# Altium PCB 主控PCB.PcbDoc
Units mil, origin at the board's own origin, x right, y up, seen from the top; angles counter-clockwise.
Board outline 5805 x 2610 mil, 2 copper layers (Top Layer, Bottom Layer); 77 components, 92 nets, 378 pads, 262 vias.
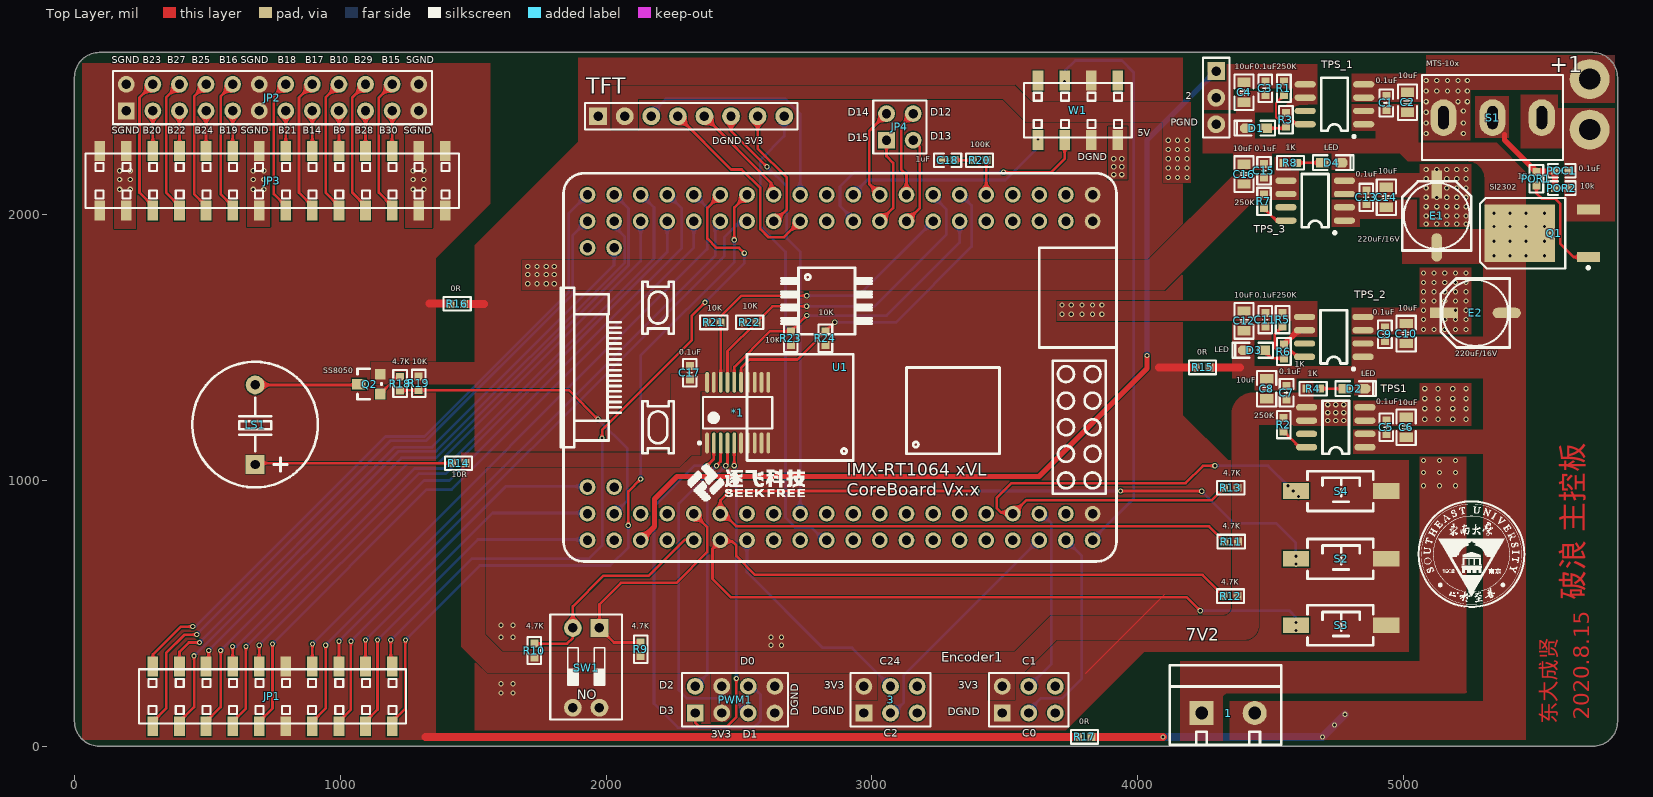
[diagram p0: Top Layer view]
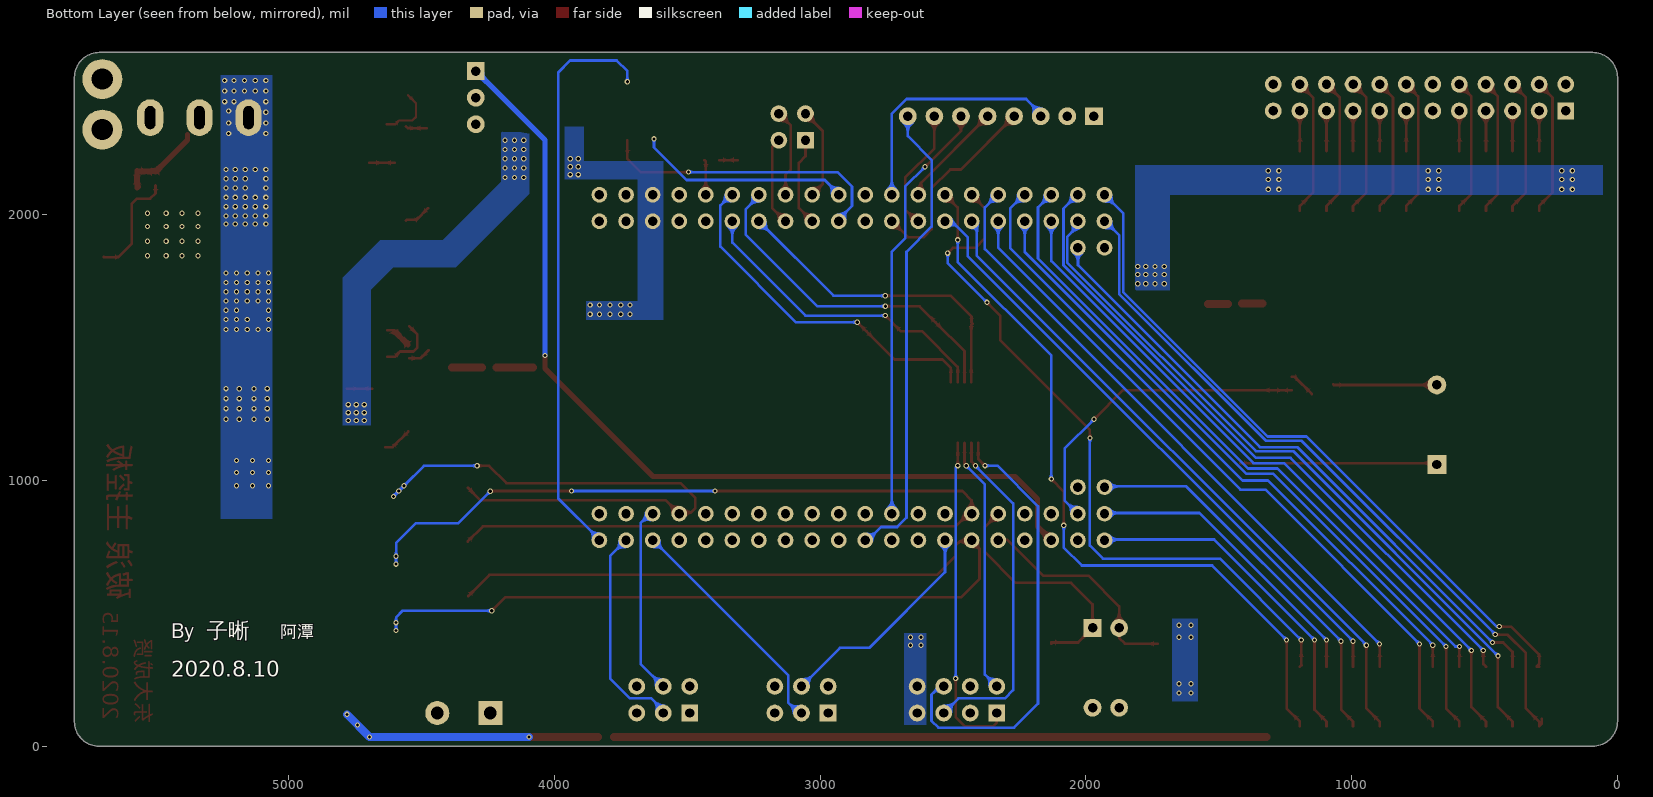
[diagram p1: Bottom Layer view, seen from below]

## Layer stack, top to bottom
Top Solder: solder mask 0.4, Solder Resist, Dk 3.5
Top Layer: signal copper 1.4
Dielectric 1: dielectric 12.6, FR-4, Dk 4.8
Bottom Layer: signal copper 1.4
Bottom Solder: solder mask 0.4, Solder Resist, Dk 3.5

## Board outline
93.73,0 cw(c93.73,93.73) 0,93.73 0,2516.27 cw(c93.73,2516.27) 93.73,2610 5711.27,2610 cw(c5711.27,2516.27) 5805,2516.27 5805,92.42 cw(c5712.58,92.42) 5712.58,0

## Design rules (kind name [scope] priority, off if disabled: settings)
Clearance [All] p1: gap=4 ignorepadtopadclearanceinfootprint=FALSE except(0: SMDPad-SMDPad)
ComponentClearance [All] p1: gap=0 collisioncheckmode=3 verticalgap=0 showdistances=TRUE
Height [All] p1: minheight=0 maxheight=1200 prefheight=500
HoleToHoleClearance [All] p1: gap=5 allowstackedmicrovias=TRUE
MinimumSolderMaskSliver [All] p1: minsoldermaskwidth=0
PlaneConnect [All] p1: planeconnectstyle=Direct reliefexpansion=20 reliefentries=4 reliefconductorwidth=10 reliefairgap=10
PolygonConnect [All] p1: connectstyle=Direct reliefconductorwidth=10 reliefentries=4 polygonreliefangle="90 Angle" airgapwidth=10
RoutingVias [All] p1: holewidth=11.81 width=15.75 viastyle="Through Hole" minholewidth=7.87 minwidth=11.81 maxholewidth=15.75 maxwidth=19.68
SilkToSilkClearance [All] p1: silktosilkclearance=0
SilkToSolderMaskClearance [IsPad] p1: minsilkscreentomaskgap=0 clearancetoexposedcopper=TRUE
SolderMaskExpansion [All] p1: expansion=4
Width [All] p1: maxlimit=30 minlimit=8 preferedwidth=10 minimp=50.000000 maximp=50.000000 favimp=50.000000
23 further rules are at their usual default settings.

## Classes and differential pairs
component class 主控PCB原理图: 2 3 *1 C17 C18 Encoder1 JP1 JP2 JP3 JP4 LS1 PWM1 Q2 R9 R10 R11 R12 R13 R14 R15 R16 R17 R18 R19 R20 R21 R22 R23 R24 S2 S3 S4 SW1 TFT U1 W1
component class DC_DC: 1 +1 C1 C2 C3 C4 C5 C6 C7 C8 C9 C10 C11 C12 C13 C14 C15 C16 D1 D2 D3 D4 E1 E2 POC1 POR1 POR2 Q1 R1 R2 R3 R4 R5 R6 R7 R8 S1 TPS1 TPS_1 TPS_2 TPS_3

## Components (designator, comment, footprint, x,y, rotation, side; value= is the part's Value field where it differs from the comment)
1 "HDR-1X2" KF301-5.0-2P 4440,125 r0 top
2 "HDR-1X3" HDR2.54-LI-3P 4295,2440 r270 top
3 "Header3X2" HDR2.54-LI-2x3P 3070,175 r0 top
*1 "74LVC245" TSSOP20_M 2495,1255 r90 top
+1 "HDR-1X2" 电源入口 5700,2510 r270 top
C1 "0.1uF" "C 0603_L" 4935,2420 r90 top
C2 "10uF" "C 0805_L" 5015,2422.6 r90 top
C3 "0.1uF" "C 0603_L" 4480,2475 r90 top
C4 "10uF" "C 0805_L" 4400,2460 r90 top
C5 "0.1uF" "C 0603_L" 4935,1200 r90 top
C6 "10uF" "C 0805_L" 5010,1200 r90 top
C7 "0.1uF" "C 0603_L" 4560,1330 r270 top
C8 "10uF" "C 0805_L" 4485,1345 r270 top
C9 "0.1uF" "C 0603_L" 4930,1550 r90 top
C10 "10uF" "C 0805_L" 5010,1552.6 r90 top
C11 "0.1uF" "C 0603_L" 4480,1605 r90 top
C12 "10uF" "C 0805_L" 4400,1600 r90 top
C13 "0.1uF" "C 0603_L" 4860,2065 r90 top
C14 "10uF" "C 0805_L" 4935,2065 r90 top
C15 "0.1uF" "C 0603_L" 4474.99,2165 r270 top
C16 "10uF" "C 0805_L" 4400,2152.4 r270 top
C17 "0.1uF" "C 0603_L" 2315,1405 r90 top
C18 "1uF" "C 0603_L" 3285,2205 r0 top
D1 "LED" "LED 0603B" 4445,2325.26 r180 top
D2 "LED" "LED 0603B" 4815,1345 r0 top
D3 "LED" "LED 0603B" 4437.78,1490 r180 top
D4 "LED" "LED 0603B" 4730,2195 r0 top
E1 "220uF/16V" "CM D(6.3*7.7)" 5125,1995 r90 top
E2 "220uF/16V" "CM D(6.3*7.7)" 5270,1630 r180 top
Encoder1 "Header3X2" HDR2.54-LI-2x3P 3590,175 r0 top
JP1 "Header 2X10" HDR2.54-M-LS-2x10P 745,187.27 r0 top
JP2 "Header 2X11" HDR2.54-LI-2x12P 745,2440.07 r0 top
JP3 "Header 2X11" HDR2.54-M-LS-2x14P 745,2127.27 r0 top
JP4 "Header2X2" HDR2.54-LI-2x2P 3105,2330 r0 top
LS1 "DC5V" "BEEP 7.6X12X9.5" 680,1210 r0 top
POC1 "0.1uF" "C 0603_L" 5595,2165 r180 top
POR1 "1R" "R 0603_L" 5500,2135 r90 top
POR2 "10k" "C 0603_L" 5595,2100 r180 top
PWM1 "Header 4X2" HDR2.54-LI-2x4P 2485,175 r0 top
Q1 "SI2302" "TO252 - 3" 5521.77,1930.24 r180 top
Q2 "SS8050" SOT23-3N 1150.63,1320.12 r90 top
R1 "250K" "R 0603_L" 4550,2475 r270 top
R2 "250K" "R 0603_L" 4548.82,1210 r270 top
R3 "1K" "R 0603_L" 4557.5,2357 r90 top
R4 "1K" "R 0603_L" 4660,1345.26 r180 top
R5 "250K" "R 0603_L" 4545,1605 r270 top
R6 "1K" "R 0603_L" 4550,1485 r90 top
R7 "250K" "R 0603_L" 4475,2050 r270 top
R8 "1K" "R 0603_L" 4574.41,2195 r180 top
R9 "4.7K" "R 0603_L" 2130,365 r90 top
R10 "4.7K" "R 0603_L" 1730,360.14 r90 top
R11 "4.7K" "R 0603_L" 4351.66,770 r180 top
R12 "4.7K" "R 0603_L" 4349.08,565 r180 top
R13 "4.7K" "R 0603_L" 4350,972.5 r180 top
R14 "10R" "R 0603_L" 1445,1065 r180 top
R15 "0R" "R 0603_L" 4243.75,1425 r180 top
R16 "0R" "R 0603_L" 1439.41,1664.41 r0 top
R17 "0R" "R 0603_L" 3800,35 r180 top
R18 "4.7K" "R 0603_L" 1225,1364.41 r90 top
R19 "10K" "R 0603_L" 1295,1365 r90 top
R20 "100K" "R 0603_L" 3405,2205 r0 top
R21 "10K" "R 0603_L" 2405,1594.41 r0 top
R22 "10K" "R 0603_L" 2540,1595 r0 top
R23 "10K" "R 0603_L" 2695,1535 r90 top
R24 "10K" "R 0603_L" 2825,1535 r90 top
S1 "MTS-10x" MTS-10x 5335,2365 r180 top
S2 "SW-PB" "TSW SMD-3*6*4.3" 4765,705 r0 top
S3 "SW-PB" "TSW SMD-3*6*4.3" 4765,455 r0 top
S4 "SW-PB" "TSW SMD-3*6*4.3" 4765,960 r0 top
SW1 "SW-2P" "CSW DIP-2P_G" 1925,295 r180 top
TFT "HDR-1X8" HDR2.54-LI-8P 2320,2370 r0 top (schematic designator TFT1)
TPS1 "UUUUUU" SOP-8 4855,1125 r180 top
TPS_1 "UUUUUU" SOP8 4849,2339 r180 top
TPS_2 "UUUUUU" SOP8 4846.5,1464 r180 top
TPS_3 "UUUUUU" SOP8 4776.5,1976.6 r180 top
U1 "MIMXRT1064xVL_CoreBoard" MIMXRT1064xVL_CoreBoard 2880,1425 r180 top
W1 "Header 4X2" HDR2.54-M-LS-2x4P 3775,2392.2 r0 top

## Footprints (in the part's own frame and the unit in brackets; to place one, negate y for a bottom-side part, rotate by r counter-clockwise, add the part's x,y. Pads: shape width x height; smd on the part's side, far side on the other; paste and mask are expansions set on the pad)
"BEEP 7.6X12X9.5" [mm] "6.5*12*9.5mm(脚距,直径,高度)                  淘宝ID:黄晶宝石"
  rect 1.8x1.8 hole 0.9: 1(-0.011,-3.811)
  round 1.8 hole 0.9: 2(-0.011,3.789)
  silkscreen extent -6.01,-6 5.99,6, body extent -6.01,-5.93 5.99,6.07, height 9.55
"C 0603_L" [mil] "无极性贴片电容                                       淘宝ID:黄晶宝石"
  rect 30x30 smd: 1(-25.59,0) 2(25.59,0)
  silkscreen extent -51,-26 51,26, body extent -31,-16 31,16, height 32
"C 0805_L" [mil] "无极性贴片电容                                        淘宝ID:黄晶宝石"
  rect 35x50 smd: 1(-37.4,0) 2(37.4,0)
  silkscreen extent -67,-36 67,36, body extent -39,-24 39,24, height 20
"CM D(6.3*7.7)" [mm] "贴片电解电容，直径6.3mm，高7.7mm         淘宝ID:黄晶宝石"
  rect 2.7x1 smd: 1(3,0)
  oval 2.7x1 smd: 2(-3,0)
  silkscreen extent -3.3,-3.3 3.3,3.3, body extent -3.5,-3.3 3.5,3.3, height 7.7
"CSW DIP-2P_G" [mm] "6.6*9.9*7mm"
  rect 1.7x1.7 hole 0.9: 1(-1.27,-3.81)
  round 1.7 hole 0.9: 2(1.27,-3.81) 3(1.27,3.81) 4(-1.27,3.81)
  silkscreen extent -3.43,-5.08 3.43,4.95, body extent -3.32,-4.95 3.32,4.95, height 6.65
HDR2.54-LI-2x2P [mm] "封装库来自淘宝卖家 ID：黄晶宝石"
  rect 1.6x1.6 hole 0.9: 1(-1.27,-1.27)
  round 1.6 hole 0.9: 2(-1.27,1.27) 3(1.27,-1.27) 4(1.27,1.27)
  silkscreen extent -2.54,-2.54 2.54,2.54, body extent -2.54,-2.54 2.54,2.54, height 8.5
HDR2.54-LI-2x3P [mm] "封装库来自淘宝卖家 ID：黄晶宝石"
  rect 1.6x1.6 hole 0.9: 1(-2.54,-1.27)
  round 1.6 hole 0.9: 2(-2.54,1.27) 3(0,-1.27) 4(0,1.27) 5(2.54,-1.27) 6(2.54,1.27)
  silkscreen extent -3.81,-2.54 3.81,2.54, body extent -3.81,-2.54 3.81,2.54, height 8.5
HDR2.54-LI-2x4P [mm] "双排排针，4x2脚 淘宝ID:黄晶宝石   店铺网址:https://shop463601444.taobao.com"
  rect 1.6x1.6 hole 0.9: 1(-3.81,-1.27)
  round 1.6 hole 0.9: 2(-3.81,1.27) 3(-1.27,-1.27) 4(-1.27,1.27) 5(1.27,-1.27) 6(1.27,1.27) 7(3.81,-1.27) 8(3.81,1.27)
  silkscreen extent -5.08,-2.54 5.08,2.54, body extent -5.08,-2.54 5.08,2.54, height 8.5
HDR2.54-LI-2x12P [mm] "双排排针，12x2脚   淘宝ID:黄晶宝石   店铺网址:https://shop463601444.taobao.com"
  rect 1.6x1.6 hole 0.9: 1(-13.97,-1.27)
  round 1.6 hole 0.9: 2(-13.97,1.27) 3(-11.43,-1.27) 4(-11.43,1.27) 5(-8.89,-1.27) 6(-8.89,1.27) 7(-6.35,-1.27) 8(-6.35,1.27) 9(-3.81,-1.27) 10(-3.81,1.27) 11(-1.27,-1.27) 12(-1.27,1.27) 13(1.27,-1.27) 14(1.27,1.27) 15(3.81,-1.27) 16(3.81,1.27) 17(6.35,-1.27) 18(6.35,1.27) 19(8.89,-1.27) 20(8.89,1.27) 21(11.43,-1.27) 22(11.43,1.27) 23(13.97,-1.27) 24(13.97,1.27)
  silkscreen extent -15.24,-2.54 15.24,2.54, body extent -15.24,-2.54 15.24,2.54, height 8.5
HDR2.54-LI-3P [mm] "排针，3脚"
  rect 1.7x1.7 hole 0.9: 1(-2.54,0)
  round 1.7 hole 0.9: 2(0,0) 3(2.54,0)
  silkscreen extent -3.81,-1.27 3.81,1.27, body extent -3.81,-1.27 3.81,1.27, height 8.5
HDR2.54-LI-8P [mm] "排针，8脚  淘宝ID:黄晶宝石   店铺网址:https://shop463601444.taobao.com"
  rect 1.7x1.7 hole 0.9: 1(-8.89,0)
  round 1.7 hole 0.9: 2(-6.35,0) 3(-3.81,0) 4(-1.27,0) 5(1.27,0) 6(3.81,0) 7(6.35,0) 8(8.89,0)
  silkscreen extent -10.16,-1.27 10.16,1.27, body extent -10.16,-1.27 10.16,1.27, height 8.5
HDR2.54-M-LS-2x4P [mm] "脚距：2.54mm，贴片双排母"
  rect 1.02x1.9 smd: 1(-3.81,-2.85) 2(-3.81,2.85) 3(-1.27,-2.85) 4(-1.27,2.85) 5(1.27,-2.85) 6(1.27,2.85) 7(3.81,-2.85) 8(3.81,2.85)
  silkscreen extent -5.15,-2.6 5.14,2.6, body extent -5.11,-3.2 5.11,3.2, height 5.15
HDR2.54-M-LS-2x10P [mm] "脚距：2.54mm，贴片双排母"
  rect 1.02x1.9 smd: 1(-11.43,2.85) 2(-11.43,-2.85) 3(-8.89,2.85) 4(-8.89,-2.85) 5(-6.35,2.85) 6(-6.35,-2.85) 7(-3.81,2.85) 8(-3.81,-2.85) 9(-1.27,2.85) 10(-1.27,-2.85) 11(1.27,2.85) 12(1.27,-2.85) 13(3.81,2.85) 14(3.81,-2.85) 15(6.35,2.85) 16(6.35,-2.85) 17(8.89,2.85) 18(8.89,-2.85) 19(11.43,2.85) 20(11.43,-2.85)
  silkscreen extent -12.77,-2.6 12.76,2.6, body extent -12.73,-3.2 12.73,3.2, height 5.15
HDR2.54-M-LS-2x14P [mm] "脚距：2.54mm，贴片双排母"
  rect 1.02x1.9 smd: 1(-16.51,2.85) 2(-16.51,-2.85) 3(-13.97,2.85) 4(-13.97,-2.85) 5(-11.43,2.85) 6(-11.43,-2.85) 7(-8.89,2.85) 8(-8.89,-2.85) 9(-6.35,2.85) 10(-6.35,-2.85) 11(-3.81,2.85) 12(-3.81,-2.85) 13(-1.27,2.85) 14(-1.27,-2.85) 15(1.27,2.85) 16(1.27,-2.85) 17(3.81,2.85) 18(3.81,-2.85) 19(6.35,2.85) 20(6.35,-2.85) 21(8.89,2.85) 22(8.89,-2.85) 23(11.43,2.85) 24(11.43,-2.85) 25(13.97,2.85) 26(13.97,-2.85) 27(16.51,2.85) 28(16.51,-2.85)
  silkscreen extent -17.85,-2.6 17.84,2.6, body extent -17.81,-3.2 17.81,3.2, height 5.15
KF301-5.0-2P [mm] "可拼接端子/6A"
  rect 2.3x2.3 hole 1.2: 1(-5.08,0)
  round 2.3 hole 1.2: 2(0,0)
  silkscreen extent -8.13,-3.05 2.54,4.57, body extent -7.95,-3 2.55,4.6, height 10.05
"LED 0603B" [mil] "蓝色0603LED                             淘宝ID:黄晶宝石"
  rect 50x35 smd: 1(-35,0.26)
  oct 50x35 smd: 2(35,0.26)
  silkscreen extent -71,-28 81,28, body extent -31,-16 32,16, height 24
MIMXRT1064xVL_CoreBoard [mm] "逐飞科技i.MX RT1064核?"
  round 1.5 hole 0.9: 1(-24.13,-16.51) 2(-24.13,-13.97) 3(-21.59,-16.51) 4(-21.59,-13.97) 5(-19.05,-16.51) 6(-19.05,-13.97) 7(-16.51,-16.51) 8(-16.51,-13.97) 9(-13.97,-16.51) 10(-13.97,-13.97) 11(-11.43,-16.51) 12(-11.43,-13.97) 13(-8.89,-16.51) 14(-8.89,-13.97) 15(-6.35,-16.51) 16(-6.35,-13.97) 17(-3.81,-16.51) 18(-3.81,-13.97) 19(-1.27,-16.51) 20(-1.27,-13.97) 21(1.27,-16.51) 22(1.27,-13.97) 23(3.81,-16.51) 24(3.81,-13.97) 25(6.35,-16.51) 26(6.35,-13.97) 27(8.89,-16.51) 28(8.89,-13.97) 29(11.43,-16.51) 30(11.43,-13.97) 31(13.97,-16.51) 32(13.97,-13.97) 33(16.51,-16.51) 34(16.51,-13.97) 35(19.05,-16.51) 36(19.05,-13.97) 37(21.59,-16.51) 38(21.59,-13.97) 39(24.13,-16.51) 40(24.13,-13.97) 41(21.59,-11.43) 42(24.13,-11.43) 43(24.13,11.43) 44(21.59,11.43) 45(24.13,13.97) 46(24.13,16.51) 47(21.59,13.97) 48(21.59,16.51) 49(19.05,13.97) 50(19.05,16.51) 51(16.51,13.97) 52(16.51,16.51) 53(13.97,13.97) 54(13.97,16.51) 55(11.43,13.97) 56(11.43,16.51) 57(8.89,13.97) 58(8.89,16.51) 59(6.35,13.97) 60(6.35,16.51) 61(3.81,13.97) 62(3.81,16.51) 63(1.27,13.97) 64(1.27,16.51) 65(-1.27,13.97) 66(-1.27,16.51) 67(-3.81,13.97) 68(-3.81,16.51) 69(-6.35,13.97) 70(-6.35,16.51) 71(-8.89,13.97) 72(-8.89,16.51) 73(-11.43,13.97) 74(-11.43,16.51) 75(-13.97,13.97) 76(-13.97,16.51) 77(-16.51,13.97) 78(-16.51,16.51) 79(-19.05,13.97) 80(-19.05,16.51) 81(-21.59,13.97) 82(-21.59,16.51) 83(-24.13,13.97) 84(-24.13,16.51)
  silkscreen extent -26.42,-18.54 26.67,18.54
MTS-10x [mm] "MTS10系列3脚扭子开关      淘宝ID:黄晶宝石"
  oval 2.5x3.5 hole 1 slot 2.2 at 90 deg unplated: 1(-4.7,0) 2(0,0) 3(4.7,0)
  silkscreen extent -6.73,-4.06 6.73,4.06, body extent -6.6,-3.95 6.6,3.95, height 30.47
"R 0603_L" [mil] "1/10W贴片电阻                 淘宝ID:黄晶宝石"
  rect 30x30 smd: 1(-25.59,0) 2(25.59,0)
  silkscreen extent -51,-26 51,26, body extent -31,-16 32,16, height 16
SOP8 [mil] "封装库来自淘宝卖家 ID：黄晶宝石"
  oval 80x24 smd: 1(-1,-1) 2(-1,-51) 3(-1,-101) 4(-1,-151) 5(219,-151) 6(219,-101) 7(219,-51) 8(219,-1)
  silkscreen extent 30,-176 159,50, body extent -8,-171 228,21, height 67
SOP-8 [mil] "封装库来自淘宝卖家 ID：黄晶宝石"
  oval 80x24 smd: 1(0,0) 2(0,-50) 3(0,-100) 4(0,-150) 5(220,-150) 6(220,-100) 7(220,-50) 8(220,0)
  silkscreen extent 60,-175 160,25, body extent -15,-173 235,24, height 74
SOT23-3N [mil] "封装库来自淘宝卖家 ID：黄晶宝石"
  rect 40x40 smd: 1(4.88,0.63) 2(79.88,0.63)
  rect 40x50 smd: 3(41.88,80.63)
  silkscreen extent -15,-4 100,86, body extent -16,-6 102,89, height 41
"TO252 - 3" [mm] "D-PAK  / SOT-428  封装库来自淘宝卖家 ID：黄晶宝石"
  rect 2.2x0.95 smd: 1(-4.4,2.28) 3(-4.4,-2.28)
  rect 6.7x5.5 smd: 2(2.15,0)
  silkscreen extent -4.52,-3.35 5.94,3.43, body extent -4.47,-3.3 4.78,3.3, height 2.31
TSSOP20_M [mm] "TSOP, 20-Leads, Body 6.5x4.4mm, Pitch 0.65mm, IPC Low Density"
  oval 2x0.35 smd: 1(-2.9,2.925) 2(-2.9,2.275) 3(-2.9,1.625) 4(-2.9,0.975) 5(-2.9,0.325) 6(-2.9,-0.325) 7(-2.9,-0.975) 8(-2.9,-1.625) 9(-2.9,-2.275) 10(-2.9,-2.925) 11(2.9,-2.925) 12(2.9,-2.275) 13(2.9,-1.625) 14(2.9,-0.975) 15(2.9,-0.325) 16(2.9,0.325) 17(2.9,0.975) 18(2.9,1.625) 19(2.9,2.275) 20(2.9,2.925)
  silkscreen extent -3.02,-3.3 1.5,3.77, body extent -3.25,-3.25 3.15,3.25, height 1.03
"TSW SMD-3*6*4.3" [mm] "3*6*4.3mm"
  rect 2.5x1.5 smd: 1(-4.318,0) 2(4.318,0)
  silkscreen extent -3.21,-1.9 3.09,1.9, body extent -4.6,-1.75 4.6,1.75, height 4.4
电源入口 [mil]
  round 150 hole 80: 1(0,0) 2(190,0)

## Part data
1 +1: library part "Header 2", "2P接插件"
  1: BOM名称=2P接插件, 优秀评价可免费更新封装库=ÁªÏµÌÔ±¦ID£º»Æ¾§±¦Ê¯£¬»ñÈ, 卖家免费技术支持，联系售后=唯一出售店铺网址https://shop463601444.taobao, 封装库来自淘宝卖家 ID：黄晶宝石=ÆäËûµêÆÌ¹ºÈë¾ùÎªµÁ°æ£, 版权归属="封装库来自淘宝 ID：黄晶宝石"
2: library part "Header 3", "3P接插件"
3 Encoder1: library part "Header 3X2", "3*2P接插件"
C1 C3 C5 C7 C9 C11 C13 C15 POC1: library part "Cap Semi", "Capacitor (Semiconductor SIM Model)"
C2 C4 C6 C8 C10 C12 C14 C16 C17 C18: library part C, "贴片电容"
D1 D2 D3 D4: "发光二极管"
E1 E2: library part CE_SMD, "贴片电解电容"
JP1: library part "Header 10X2", "10*2P接插件"
JP2: library part "Header 12X2", "12*2P接插件"
JP3: library part "Header 14X2", "14*2P接插件"
JP4: library part "Header 2X2", "2*2P接插件"
LS1: library part BEEP, "蜂鸣器"
POR1 POR2 R1 R2 R5 R7: library part R
PWM1 W1: "4*2P接插件"
Q1: "N沟道场效应管"
Q2: library part 8050-SMD, "高频放大-NPN型"
R3 R4 R6 R8 R9 R10 R11 R12 R13 R14 R15 R16 R17 R18 R19 R20 R21 R22 R23 R24: library part R, "贴片电阻"
S1: "MTS10x系列3脚扭子开关"
S2 S3 S4: "微动开关"
SW1: "2路编码开关"
TFT: library part "Header 8", "8P接插件"
TPS1 TPS_1 TPS_2 TPS_3: library part TPS7333
U1: "逐飞科技i.MX RT1064核心板整体原理，可直接使用"

## Via types
v1: diameter 19.68, hole 11.81, Top Layer to Bottom Layer, 262 vias

## Nets (pads, with @x,y where several pads share a name; then routed paths per layer and width w, separated by ;. In a path a pad name is that pad's centre, name@x,y a point inside that pad or via, vN(x,y) a via of type N, cw(c..) or ccw(c..) an arc to the next point about the centre after c; other vN are vias at no path point)
Amplifier_5V: C15.2 C16.2 JP3.3 JP3.4 JP3.13 JP3.14 JP3.25 JP3.26 R7.1 R8.2 TPS_3.5 TPS_3.6
  other v1: 1705,1740 1740,1740 1775,1740 1805,1740 1705,1775 1740,1775 1775,1775 1805,1775 1705,1805 1740,1805 1775,1805 1805,1805 170,2095 210,2095 672.5,2095 712.5,2095 1274.12,2095 1314.12,2095 170,2132.5 210,2132.5 672.5,2132.5 712.5,2132.5 1274.12,2132.5 1314.12,2132.5 170,2165 210,2165 672.5,2165 712.5,2165 1274.12,2165 1314.12,2165
B0: TFT.3 U1.23 | length 927.3
  Top Layer w10: U1.23@2730,2077.6 U1.23@2732.59,2077.6
  Bottom Layer w10: TFT.3@2160,2370 2225,2435 2675,2435 2730,2380 U1.23
B1: TFT.4 U1.24 | length 764.1
  Top Layer w10: TFT.4 2470,2170 2510,2170 2580,2100 2580,1945 2610,1915 2670,1915 U1.24
B2: TFT.5 U1.25 | length 402.7
  Top Layer w10: TFT.5 2620.61,2119.39 2620.61,2084.39 U1.25
B3: TFT.7 U1.26 | length 474.2
  Top Layer w10: TFT.7 2570,2249.42 2680,2139.42 2680,2020 2635,1975 U1.26
  Bottom Layer w10: U1.26 U1.26@2630,1985
B11: R18.1 R19.1 U1.47 | length 1211.8
  Top Layer w10: R18.1 1294.42,1338.82 R19.1 1860.59,1339.41 v1(1970,1230)
  Bottom Layer w10: v1(1970,1230) 2080,1120 2080,925 U1.47
B12: JP1.19 U1.29 | length 2714.6
  Top Layer w10: v1(1190,400.07) 1190,306.04 1189.22,305.26 JP1.19 ; v1(1985,1160) 1985,1190 2322.5,1527.5 2322.5,1620 v1(2372.5,1670) ; U1.29 2380.59,2025.59 2380.59,1910 2415.59,1875 2500,1875 v1(2520,1855)
  Bottom Layer w10: v1(1190,400.07) 1495.52,705.59 1935.59,705.59 1985,755 v1(1985,1160) ; v1(2372.5,1670) 2520,1817.5 v1(2520,1855)
B13: JP1.20 U1.27 | length 2840
  Top Layer w10: JP1.20 1195,92.39 1245,142.39 v1(1245,400.07) ; v1(2083.49,831.09) 2083.49,958.4 v1(2130.09,1005) ; v1(2482.2,1905) 2482.2,2027.2 U1.27
  Bottom Layer w10: v1(1245,400.07) 1524.93,680 2015,680 2083.49,748.49 v1(2083.49,831.09) ; v1(2130.09,1005) 2130.09,1470.09 2482.2,1822.2 v1(2482.2,1905)
B14: JP1.14 U1.30 | length 2538.3
  Top Layer w10: JP1.14 895,92.39 945,142.39 v1(945,380.07)
  Bottom Layer w10: v1(945,380.07) 2410,1845.07 2410,1957.6 U1.30@2430,1977.6
B15: JP1.15 U1.28 | length 2327.1
  Top Layer w10: JP1.15 v1(995,395.07)
  Bottom Layer w10: v1(995,395.07) 2445,1845.07 2445,1915 2507.6,1977.6 U1.28@2530,1977.6
B16: JP1.10 U1.32 | length 2634.7
  Top Layer w10: JP1.10 695,92.39 745,142.39 v1(745,385.07)
  Bottom Layer w10: v1(745,385.07) 1324.93,965 1418.69,965 2330,1876.31 U1.32 U1.32@2330,1977.6
B17: JP1.13 U1.31 | length 2413.9
  Top Layer w10: JP1.13 v1(895,385.07)
  Bottom Layer w10: v1(895,385.07) 2380,1870.07 2380,2027.6 U1.31@2330,2077.6
B18: JP1.8 U1.34 | length 2638.7
  Top Layer w10: JP1.8 595,92.39 645,142.39 v1(645,375.07)
  Bottom Layer w10: v1(645,375.07) 1294.93,1025 1395.47,1025 2230,1859.53 U1.34 U1.34@2230,1977.6
B19: JP1.9 U1.33 | length 2515.2
  Top Layer w10: JP1.9 v1(695,380.07)
  Bottom Layer w10: v1(695,380.07) 1314.93,1000 1410,1000 2285,1875 2285,2022.6 U1.33@2230,2077.6
B20: JP1.6 U1.36 | length 2649.6
  Top Layer w10: JP1.6 495,92.39 550,147.39 v1(550,360.07) v1@550,365.05
  Bottom Layer w10: v1(550,360.07) 1254.93,1065 1370,1065 2130,1825 U1.36
B21: JP1.7 U1.35 | length 2528.6
  Top Layer w10: JP1.7 v1(595,375.07)
  Bottom Layer w10: v1(595,375.07) 610.07,375.07 1280,1045 1390,1045 2180,1835 2180,2027.6 U1.35@2130,2077.6
B22: JP1.4 U1.38 | length 2695.4
  Top Layer w10: JP1.4 395,92.39 450,147.39 v1(450,340.07)
  Bottom Layer w10: v1(450,340.07) 1219.93,1110 1360,1110 2070.53,1820.53 2070.53,1891.79 2069.53,1892.79 2069.53,1917.12 2039.39,1947.26 2039.39,1968.21 U1.38@2030,1977.6
B23: JP1.5 U1.37 | length 2535.3
  Top Layer w10: JP1.5 505,309.48 v1(505,360)
  Bottom Layer w10: v1(505,360) 505,360.07 1229.93,1085 1360,1085 2084.53,1809.53 2084.53,2023.07 U1.37@2030,2077.6
B24: JP1.2 U1.40 | length 2716
  Top Layer w10: JP1.2@285,102.39 285,85.07 JP1.2 295,92.39 345,142.39 345,350.07 414.93,420 v1(459.93,420)
  Bottom Layer w10: v1(459.93,420) 1189.22,1149.29 1323.08,1149.29 1875,1701.21 1875,1922.6 U1.40@1930,1977.6
B25: JP1.1 U1.39 | length 2583.9
  Top Layer w10: JP1.1 304.41,299.48 295,308.88 295,345.07 399.93,450 v1(445,450)
  Bottom Layer w10: v1(445,450) 454.93,450 1170.22,1165.29 1316.45,1165.29 1859,1707.84 1859,2004 U1.39
B27: JP1.3 U1.41 | length 2387.4
  Top Layer w10: JP1.3 395,355.07 430,390.07 v1(470,390.07) ; U1.41@2030,1858.82 2020.61,1868.21 U1.41@2030,1877.6
  Bottom Layer w10: v1(470,390.07) 1204.93,1125 1345,1125 2030,1810 U1.41 U1.41@2030,1877.6
B28: JP1.18 U1.46 | length 1290
  Top Layer w10: JP1.18 1095,92.39 1140,137.39 v1(1140,400.07)
  Bottom Layer w10: v1(1140,400.07) 1517.53,777.6 U1.46@1930,777.6
B29: JP1.17 U1.45 | length 1133.4
  Top Layer w10: JP1.17 v1(1095,400.07)
  Bottom Layer w10: v1(1095,400.07) 1572.53,877.6 U1.45@1930,877.6
B30: JP1.16 U1.43 | length 1469.9
  Top Layer w10: JP1.16 995,92.39 1040,137.39 v1(1040,395.07)
  Bottom Layer w10: v1(1040,395.07) 1622.53,977.6 U1.43@1930,977.6
B-: +1.2 POC1.1 POR2.1 Q1.3 S1.1
C0: Encoder1.3 U1.82 | length 807.2
  Bottom Layer w10: Encoder1.3 3590,135 3635,180 3715,180 3790,255 3790,715 U1.82 U1.82@3730,777.6
C1: Encoder1.4 U1.79 | length 710.3
  Bottom Layer w10: Encoder1.4 3675,310 3675,839.14 3636.55,877.6 U1.79@3630,877.6
C2: 3.3 U1.80 | length 890.4
  Bottom Layer w10: 3.3 3080,125 3120,165 3120,267.6 U1.80@3630,777.6
C3: R13.2 S4.1 U1.77 | length 2174.3
  Top Layer w10: U1.77 3525.47,879.53 3485.47,879.53 3470,895 3470,935 3525,990 4180,990 4245,1055 v1(4290,1055) ; U1.77@3530,877.6 3532.59,877.6 3580,925 4276.91,925 R13.2
  Bottom Layer w10: v1(4290,1055) 4490,1055 v1(4565,980) v1(4585,960) v1(4605,940)
C18: TFT.8 U1.64 | length 1791.2
  Bottom Layer w10: TFT.8@2670,2385.4 TFT.8 2670,2295 2580,2205 2580,1955 2675,1860 2675,860 2710,825 2770,825 2816.98,778.02 2829.57,778.02 U1.64@2830,777.6
C19: TFT.6 U1.61 | length 1600.1
  Top Layer w10: TFT.6 2470,2315 v1(2605,2180)
  Bottom Layer w10: v1(2605,2180) 2680,2105 2680,1910.47 2730,1860.47 U1.61@2730,877.6
C24: 3.4 U1.58 | length 840.7
  Bottom Layer w10: U1.58@2530,777.6 U1.58 2530,655 2815,370 2925,370 3.4
C25: R11.2 S2.1 U1.55 | length 4329.3
  Top Layer w10: v1(3395,960) 2465,960 2430,925 U1.55 2442.14,875 2490,827.14 4268.94,827.14 R11.2 ; v1(3935,960) 4240,960 v1(4240.62,959.38)
  Bottom Layer w10: v1(3395,960) v1(3935,960) ; v1(4240.62,959.38) 4360.86,839.14 4520,839.14 4595,764.14 v1(4595,685)
  other v1: 4595,715
C26: R12.2 S3.1 U1.56 | length 4466.4
  Top Layer w10: v1(4235,510) 4185,560 2470,560 2400,630 2400,742.03 2430,772.03 U1.56 2434.53,770.47 2474.53,770.47 2490,755 2490,715 2560,645 4243.5,645 R12.2
  Bottom Layer w10: v1(4235,510) 4570,510 4595,485 v1(4595,465) v1(4595,435)
C27: R9.2 SW1.1 U1.53 | length 921
  Top Layer w10: R9.2@2130.02,385.07 R9.2@2130.09,385 ; R9.2 2029.41,390.59 SW1.1 1975,533.76 2056.24,615 2265,615 2380,730 2380,825 U1.53 U1.53@2330,877.6
C28: R10.2 SW1.2 U1.54 | length 832
  Top Layer w10: R10.2 1853.38,385.73 1875,407.34 SW1.2 1875,526.3 1990.3,641.6 2161.02,641.6 2296.58,777.17 2329.57,777.17 U1.54@2330,777.6
C31: 2.1 U1.50 | length 3459.1
  Top Layer w20: U1.50 2182.14,827.14 2182.14,930 2267.14,1015 3628.2,1015 4035,1421.8 v1(4035,1470)
  Bottom Layer w20: v1(4035,1470) 4035,2280 2.1
D0: *1.18 R21.2 U1.14 | length 1204.2
  Top Layer w10: R21.2@2425.88,1589.7 2431.02,1584.56 *1.18 ; R21.2 2430.59,1616.17 2509.41,1695 v1(2755,1695) ; U1.14@3230,1965.86 U1.14 U1.14@3230,1977.6
  Bottom Layer w10: v1(2755,1695) 2950,1695 U1.14
D1: *1.17 R22.2 U1.13 | length 1305.3
  Top Layer w10: *1.17 2456.61,1486.02 R22.2 2625.59,1655 v1(2754.42,1655) ; U1.13@3230,2065.07 U1.13 U1.13@3230,2077.6
  Bottom Layer w10: v1(2754.42,1655) 3010,1655 3280,1925 3280,2020 3230,2070 U1.13
D2: *1.16 R23.2 U1.12 | length 1182.2
  Top Layer w10: *1.16 2482.2,1427.2 2615.59,1560.59 R23.2 2754.42,1620 v1(2755,1620) ; U1.12 U1.12@3330,1977.6
  Bottom Layer w10: v1(2755,1620) 3055,1620 3330,1895 U1.12
D3: *1.15 R24.2 U1.11 | length 1334.2
  Top Layer w10: *1.15 2507.8,1422.8 2540,1455 2719.42,1455 R24.2 2859.42,1595 v1(2860,1595) ; U1.11@3330,2077.6 U1.11@3337.4,2077.6
  Bottom Layer w10: v1(2860,1595) 3090,1595 3375,1880 3375,2035 3335,2075 U1.11
D12: JP4.4 U1.15 | length 331.9
  Top Layer w10: U1.15 3130,2150.23 3110,2170.23 3110,2335 JP4.4
D13: JP4.3 U1.16 | length 336.1
  Top Layer w10: U1.16 3180,2025 3180,2255 JP4.3
D14: JP4.2 U1.17 | length 348.5
  Top Layer w10: U1.17 2990,2115 2990,2315 JP4.2
D15: JP4.1 U1.18 | length 336.1
  Top Layer w10: U1.18 3080,2025 3080,2195 3055,2220 JP4.1
D16: U1.19 W1.1 | length 799.9
  Bottom Layer w10: U1.19@2930,2077.6 2982.4,2130 3502.5,2130 3625,2252.5 v1(3625,2285)
D17: U1.20 W1.3 | length 1106.7
  Top Layer w10: v1(3495,2160) 3675.2,2160 3725,2209.8 W1.3
  Bottom Layer w10: U1.20@2930,1977.6 2930,1982.6 2880,2032.6 2880,2105 2935,2160 v1(3495,2160)
D26: U1.84 W1.4 | length 2156.8
  Bottom Layer w10: v1(3725,2500) 3725,2540 3765,2580 3940,2580 3985,2535 3985,932.6 U1.84@3830,777.6
DGND: 3.1 *1.1 *1.6 *1.7 *1.8 *1.9 *1.10 *1.11 *1.12 *1.13 *1.14 *1.19 C17.2 C18.1 Encoder1.1 PWM1.7 PWM1.8 Q2.2 R15.2 R16.2 R19.2 R21.1 R22.1 R23.1 R24.1 S2.2 S3.2 S4.2 SW1.3 SW1.4 TFT.1 U1.1 U1.2 U1.83 W1.5 W1.6 | length 213.2
  Top Layer w30: R16.2 1540,1664.41 ; 4080,1425 R15.2
  other v1: 1605,200 1650,200 1605,235 1650,235 2620,380 2660,380 1605,410 1650,410 2620,410 2660,410 1605,455 1650,455
MCU_5V: C11.2 C12.2 R5.1 R6.2 TPS_2.5 TPS_2.6 U1.5 U1.6 W1.7 | length 100.7
  Top Layer w10: TPS_2.6@4596.82,1557.41 4596.82,1558.53 4603.29,1565 TPS_2.6
  Top Layer w20: R6.2 TPS_2.6@4596.82,1557.41
  other v1: 3715,1625 3750,1625 3790,1625 3830,1625 3865,1625 3715,1660 3750,1660 3790,1660 3830,1660 3865,1660 3910,2150.23 3940,2150.23 3910,2180 3940,2180 3910,2210 3940,2210
Motor_1: *1.2 PWM1.6 | length 1707.8
  Top Layer w10: v1(2380,1055.59) 2380.59,1055.59 2405,1080 2405,1140.39 *1.2
  Bottom Layer w10: v1(2380,1055.59) 2333.07,1055.59 2180,902.53 2180,160 2270,70 2555,70 2580.86,95.86 2580.86,194.14 2570,205 2569.34,205 2549.34,225 PWM1.6
Motor_2: *1.3 PWM1.5 | length 1291.7
  Top Layer w10: v1(2415,1055) 2430.59,1070.59 2430.59,1140.39 *1.3
  Bottom Layer w10: v1(2415,1055) 2273.69,913.69 2273.69,211.31 2305,180 2480,180 PWM1.5
Motor_3: *1.4 PWM1.2 | length 966.2
  Top Layer w10: v1(2450,1055) 2456.61,1061.61 *1.4
  Bottom Layer w10: PWM1.2 2380,270 2380,985 v1(2450,1055)
Motor_4: *1.5 PWM1.1 | length 1244.7
  Top Layer w10: PWM1.1 2335,90.07 2350.07,75 2455,75 2490,110 v1(2490,255) ; v1(2482.2,1055.59) *1.5
  Bottom Layer w10: v1(2482.2,1055.59) 2490,1047.8 v1(2490,255)
NetC18_2: C18.2 R20.1 | length 68.9
  Top Layer w10: C18.2@3310.55,2205.04 C18.2 R20.1
NetD1_1: D1.1 R3.1 | length 80.2
  Top Layer w10: D1.1 4551.1,2325 R3.1
NetD2_1: D2.1 R4.1 | length 94.4
  Top Layer w10: R4.1 D2.1
NetD3_1: D3.1 R6.1 | length 84.8
  Top Layer w10: D3.1 4503.11,1459.41 R6.1@4545,1459.41
NetD4_1: D4.1 R8.1 | length 95.1
  Top Layer w10: R8.1 4694.75,2195 D4.1
NetLS1_1: LS1.1 R14.2 | length 741.9
  Top Layer w10: LS1.1 684.61,1065 R14.2
NetLS1_2: LS1.2 Q2.3 | length 391.6
  Top Layer w10: LS1.2 1067.18,1359.18 Q2.3
NetPOC1_2: POC1.2 POR1.2 POR2.2 S1.2 | length 332.4
  Top Layer w20: 5380,2300 5380,2280.59 POR1.2 5502.21,2162.8 5567.2,2162.8 POC1.2 POR2.2 POR2.2@5564.41,2105
NetPOR1_1: POR1.1 Q1.1 | length 411.9
  Top Layer w10: POR1.1 5500,2080 5520,2060 5570,2060 5590,2040 5590,1890 5640,1840 5694.53,1840 Q1.1
NetQ2_1: Q2.1 R18.2 | length 101.9
  Top Layer w10: Q2.1 1215,1390 R18.2
NetR1_2: R1.2 TPS_1.8 | length 215.7
  Top Layer w8: R1.2 4520,2419.42 4520,2367.47 4533.07,2354.4 4583.81,2354.4 TPS_1.8@4598.21,2340
  Top Layer w10: TPS_1.8@4598.21,2340 TPS_1.8
NetR2_2: R2.2 TPS1.8 | length 110.8
  Top Layer w10: R2.2 4608.23,1125 TPS1.8
NetR5_2: R5.2 TPS_2.8 | length 218.8
  Top Layer w10: R5.2 4515,1549.41 4515,1500 4530,1485 4579.5,1485 4599.5,1465 TPS_2.8
NetR7_2: R7.2 TPS_3.8 | length 101.9
  Top Layer w10: R7.2 4519.14,1980.27 4554.82,1980.27 TPS_3.8
NetR20_2: R20.2 U1.9 | length 129.5
  Top Layer w10: U1.9@3430,2077.6 3430,2200 R20.2@3435,2205
P3V3: 3.2 *1.20 C7.2 C8.2 C17.1 Encoder1.2 PWM1.3 PWM1.4 R2.1 R4.2 R9.1 R10.1 R11.1 R12.1 R13.1 R14.1 TFT.2 TPS1.5 TPS1.6
  other v1: 4715,1225 4745,1225 4775,1225 4715,1255 4745,1255 4775,1255 4715,1285 4745,1285 4775,1285 4115,2140 4150,2140 4185,2140 4115,2175 4150,2175 4185,2175 4115,2210 4150,2210 4185,2210 4115,2245 4150,2245 4185,2245 4115,2280 4150,2280 4185,2280
P7V2: 1.1 +1.1 C1.2 C2.2 C5.2 C6.2 C9.2 C10.2 C13.2 C14.2 E1.1 E2.1 S1.3 TPS1.3 TPS1.4 TPS_1.3 TPS_1.4 TPS_2.3 TPS_2.4 TPS_3.3 TPS_3.4
  other v1: 5075,980 5135,980 5195,980 5075,1030 5135,1030 5195,1030 5075,1075 5135,1075 5195,1075 5080,1230 5130,1230 5185,1230 5235,1230 5080,1270 5130,1270 5185,1270 5235,1270 5080,1307.6 5130,1307.6 5185,1307.6 5235,1307.6 5080,1345.26 5130,1345 5185,1345 5235,1345.26 5075,1567.6 5115,1567.6 5155,1567.6 5195,1567.6 5235,1567.6 5075,1605 5155,1605 5195,1605 5235,1605 5075,1640 5195,1640 5235,1640 5075,1675 5115,1675 5155,1675 5195,1675 5235,1675 5075,1710 5115,1710 5155,1710 5195,1710 5235,1710 5075,1745 5115,1745 5155,1745 5195,1745 5235,1745 5075,1780 5115,1780 5155,1780 5195,1780 5235,1780 5085,1965 5125,1965 5162.5,1965 5200,1965 5235,1965 5085,1995 5125,1995 5162.5,1995 5200,1995 5235,1995 5085,2030 5125,2030 5162.5,2030 5200,2030 5235,2030 5085,2065 5125,2065 5162.5,2065 5200,2065 5235,2065 5085,2100 5162.5,2100 5200,2100 5235,2100 5085,2135 5162.5,2135 5200,2135 5235,2135 5085,2170 5125,2170 5162.5,2170 5200,2170 5235,2170 5085,2305 5225,2305 5085,2345 5225,2345 5085,2385.2 5225,2390 5085,2425 5205,2425 5240,2425 5085,2465 5125,2465 5165,2465 5205,2465 5240,2465 5085,2505 5125,2505 5165,2505 5205,2505 5240,2505
PGND: 1.2 2.3 C1.1 C2.1 C3.1 C4.1 C5.1 C6.1 C7.1 C8.1 C9.1 C10.1 C11.1 C12.1 C13.1 C14.1 C15.1 C16.1 D1.2 D2.2 D3.2 D4.2 E1.2 E2.2 Q1.2 R15.1 R17.1 TPS1.1 TPS1.2 TPS_1.1 TPS_1.2 TPS_2.1 TPS_2.2 TPS_3.1 TPS_3.2 | length 1093.4
  Top Layer w30: R17.1@3835.6,35 v1(4095,35) ; R15.1@4271.19,1425 4385,1425
  Bottom Layer w30: v1(4095,35) v1(4695,35) v1(4780,120)
  other v1: 4740,80 5340,1845 5400,1845 5460,1845 5530,1845 5340,1900 5400,1900 5460,1900 5530,1900 5340,1955 5400,1955 5460,1955 5530,1955 5340,2005 5400,2005 5460,2005 5530,2005
S_5V: 2.2 C3.2 C4.2 R1.1 R3.2 TPS_1.5 TPS_1.6
SGND: JP1.11 JP1.12 JP2.1 JP2.2 JP2.11 JP2.12 JP2.23 JP2.24 JP3.1 JP3.2 JP3.27 JP3.28 R16.1 R17.2 | length 2534.6
  Top Layer w10: R16.1@1413.22,1665 R16.1
  Top Layer w30: 1320,35 R17.2@3775.58,35 ; 1335,1665 R16.1@1413.22,1665
signal_1: JP2.3 JP3.5 | length 150.6
  Top Layer w10: JP3.5 JP2.3
signal_2: JP2.4 JP3.6 | length 516.5
  Top Layer w10: JP3.6 295,2032.39 244.93,2082.46 244.93,2440 JP2.4
signal_3: JP2.14 JP3.16 | length 512.3
  Top Layer w10: JP3.16 795,2032.39 750,2077.39 750,2445.07 JP2.14
signal_4: JP2.13 JP3.15 | length 150.6
  Top Layer w10: JP3.15 JP2.13
signal_5: JP2.22 JP3.24 | length 516.4
  Top Layer w10: JP3.24 1195,2032.39 1145,2082.39 1145,2440.07 JP2.22
signal_6: JP2.21 JP3.23 | length 150.6
  Top Layer w10: JP3.23 JP2.21
signal_7: JP2.5 JP3.7 | length 150.6
  Top Layer w10: JP3.7 JP2.5
signal_8: JP2.6 JP3.8 | length 522.3
  Top Layer w10: JP3.8 395,2032.39 345,2082.39 345,2440.07 385,2480.07 395,2480.07 JP2.6
signal_9: JP2.16 JP3.18 | length 516.4
  Top Layer w10: JP3.18 895,2032.39 845,2082.39 845,2440.07 JP2.16
signal_10: JP2.15 JP3.17 | length 150.6
  Top Layer w10: JP3.17 JP2.15
signal_11: JP2.20 JP3.22 | length 516.4
  Top Layer w10: JP3.22 1095,2032.39 1045,2082.39 1045,2440.07 JP2.20
signal_12: JP2.19 JP3.21 | length 150.6
  Top Layer w10: JP3.21 JP2.19
signal_13: JP2.7 JP3.9 | length 150.6
  Top Layer w10: JP3.9 JP2.7
signal_14: JP2.8 JP3.10 | length 512.3
  Top Layer w10: JP3.10 495,2032.39 450,2077.39 450,2445.07 JP2.8
signal_15: JP2.10 JP3.12 | length 512.3
  Top Layer w10: JP3.12 595,2032.39 550,2077.39 550,2445.07 JP2.10
signal_16: JP2.9 JP3.11 | length 150.6
  Top Layer w10: JP3.11 JP2.9
signal_17: JP2.18 JP3.20 | length 516.4
  Top Layer w10: JP3.20 995,2032.39 945,2082.39 945,2440.07 JP2.18
signal_18: JP2.17 JP3.19 | length 150.6
  Top Layer w10: JP3.19 JP2.17
pads on no net: 3.5 3.6 Encoder1.5 Encoder1.6 TPS1.7 TPS_1.7 TPS_2.7 TPS_3.7 U1.3 U1.4 U1.7 U1.8 U1.10 U1.21 U1.22 U1.42 U1.44 U1.48 U1.49 U1.51 U1.52 U1.57 U1.59 U1.60 U1.62 U1.63 U1.65 U1.66 U1.67 U1.68 U1.69 U1.70 U1.71 U1.72 U1.73 U1.74 U1.75 U1.76 U1.78 U1.81 W1.2 W1.8

## Polygon pours and split planes (outlines as drawn)
DGND on Top Layer (solid, remove dead copper, pour order 222): 1895,2590 4170,2590 4170,1245 4340,1075 5020,1075 5020,355 4025,355 3730,60 1505,60 1505,1885 1895,2275
P3V3 on Top Layer "Top Layer-P3V3 9" (solid, remove dead copper, pour order 220): 2020.61,2435 2020.61,2320 2120,2320 2120,2435 2118.69,2436.31 2021.92,2436.31
PGND on Top Layer "Top Layer-PGND 1" (solid, remove dead copper, pour order 216): 4346.3,170 5460,170 5460,25 4346.3,25
P7V2 on Top Layer "Top Layer-P7V2 1" (solid, remove dead copper, pour order 214): 5060,320 4160,320 4160,20 4320.05,20 4320.05,187.72 4332.34,200 5232.12,200 ccw(c5232.12,205.41) 5235,210
P3V3 on Top Layer "Top Layer-P3V3 7" (solid, remove dead copper, pour order 212): 4455,1330 4433.66,1330 ccw(c4433.66,1249.92) 4353.58,1249.77 4354.93,524.94 cw(c4320.06,524.87) 4320.05,490 3672.4,490 3537.4,355 2160,355 2160,275 3569.93,275 3695,400.07 4400.07,400.07 ccw(c4400.07,455) 4455,455
no net on Top Layer "Top Layer-No Net 8" (solid, remove dead copper, pour order 208): 4090,70
no net on Top Layer "Top Layer-No Net 7" (solid, remove dead copper, pour order 192): 5300,595
MCU_5V on Top Layer "Top Layer-MCU_5V 1" (solid, remove dead copper, pour order 188): 3890,2330 3890,2132.5 3960,2132.5 3960,2330
NetPOC1_2 on Top Layer "Top Layer-NetPOC1_2" (solid, remove dead copper, pour order 156): 5270,2445 5270,2290 5395,2290 5395,2445.59 5270.59,2445.59
SGND on Top Layer "Top Layer-SGND" (solid, remove dead copper, pour order 154): 30,25 1360,25 1360,1835 1565,2040 1565,2570 30,2570
DGND on Top Layer "Top Layer-DGND" (solid, remove dead copper, pour order 152): 1535,1445 1115,1445 1115,1362 1535,1362
no net on Top Layer "Top Layer-No Net 3" (solid, remove dead copper, pour order 148): 2165,2535
Amplifier_5V on Top Layer "Top Layer-Amplifier_5V 1" (solid, remove dead copper, pour order 146): 150,2302.6 230.58,2302.6 230.58,1947.6 150,1947.6
Amplifier_5V on Top Layer "Top Layer-Amplifier_5V 2" (solid, remove dead copper, pour order 144): 650,2310 735.58,2310 735.58,1955 650,1955
Amplifier_5V on Top Layer "Top Layer-Amplifier_5V 3" (solid, remove dead copper, pour order 142): 1245,2305 1345,2305 1345,1950 1245,1950
Amplifier_5V on Top Layer "Top Layer-Amplifier_5V 4" (solid, remove dead copper, pour order 138): 4354.87,2144.54 4040,1830 1685,1830 1685,1715 4100,1715 4471.56,2086.56 4413.58,2144.53
MCU_5V on Top Layer "Top Layer-MCU_5V 2" (solid, remove dead copper, pour order 134): 3695,1675 4365,1675 4365,1600 3695,1600
P3V3 on Top Layer "Top Layer-P3V3 1" (solid, remove dead copper, pour order 126): 1545,1105 2245,1105 2245,1400 2390,1400 2390,1335 2355,1335 2355,1180 2355,1095 2320,1095 2275,1050 1545,1050
P3V3 on Top Layer "Top Layer-P3V3 2" (solid, remove dead copper, pour order 122): 2160,275 1555,275 1455,375 1455,1105 1545,1105 1545,419.93 1609.93,355 2160,355
P3V3 on Top Layer "Top Layer-P3V3 3" (solid, remove dead copper, pour order 118): 4095,2120 4095,2348 3580,2348 3493,2435 3279.41,2435 2020.61,2435 2020.61,2485 3537.5,2485 3600,2422.5 4200,2422.5 4200,2120
P3V3 on Top Layer "Top Layer-P3V3 4" (solid, remove dead copper, pour order 114): 3437.4,355 3437.4,175 3537.4,175 3537.4,355
P3V3 on Top Layer "Top Layer-P3V3 5" (solid, remove dead copper, pour order 112): 2920,355 2920,175 3020,175 3020,355
no net on Top Layer "Top Layer-No Net 4" (solid, remove dead copper, pour order 110): 2665,355
P3V3 on Top Layer "Top Layer-P3V3 6" (solid, remove dead copper, pour order 108): 2395,355 2395,92.42 2452.42,92.42 2470,110 2470,355
no net on Top Layer "Top Layer-No Net 5" (solid, remove dead copper, pour order 104): 3805,275 4100,570
no net on Top Layer "Top Layer-No Net 6" (solid, remove dead copper, pour order 102): 3805,275
no net on Top Layer "Top Layer-No Net" (solid, remove dead copper, pour order 80): 4772.31,1070
no net on Top Layer "Top Layer-No Net 1" (solid, remove dead copper, pour order 78): 4772.31,1070
P7V2 on Top Layer "Top Layer-P7V2 2" (solid, remove dead copper, pour order 54): 5060,1090 5235,1090 5235,210 5060,210
P3V3 on Top Layer "Top Layer-P3V3" (solid, remove dead copper, pour order 50): 4440,1330 4608.23,1330 4608.23,1373.23 4610,1375 4660,1375 4660,1304.41 4800,1304.41 4800,1205 4585,1205 4585,1210 4440,1210
PGND on Top Layer "Top Layer-PGND 6" (solid, remove dead copper, pour order 48): 4815,1385 4815,1320 4895,1320 4900,1325 4900,1385
PGND on Top Layer "Top Layer-PGND 7" (solid, remove dead copper, pour order 46): 4440,1385 4440,1340 4596.82,1340 4596.82,1385 4440,1385
P7V2 on Top Layer "Top Layer-P7V2 3" (solid, remove dead copper, pour order 44): 4810,1300 5060,1300 5060,1365 5255,1365 5255,1205 4810,1205
PGND on Top Layer "Top Layer-PGND 8" (solid, remove dead copper, pour order 42): 4810,1190 5325,1190 5325,1100 4810,1100
PGND on Top Layer "Top Layer-PGND 9" (solid, remove dead copper, pour order 40): 4805,1430 4437.78,1430 4437.78,1527.22 4435,1530 4503.11,1530 4503.11,1595 4355,1595 4355,1385 4805,1385
MCU_5V on Top Layer "Top Layer-MCU_5V" (solid, remove dead copper, pour order 38): 4675,1540 4675,1675 4355,1675 4355,1600 4579.5,1600 4579.5,1540
PGND on Top Layer "Top Layer-PGND 10" (solid, remove dead copper, pour order 36): 4805,1540 5325,1540 5325,1385 4805,1385
P7V2 on Top Layer "Top Layer-P7V2 4" (solid, remove dead copper, pour order 34): 5060,1550 4805,1550 4805,1650 5060,1650
PGND on Top Layer "Top Layer-PGND 11" (solid, remove dead copper, pour order 32): 5060,1945 5050,1945 5050,2055 4730,2055 4730,1955 4835,1955 4835,1985 4995,1985 4995,1815 5060,1815
no net on Top Layer "Top Layer-No Net 2" (solid, remove dead copper, pour order 30): 5060,1945
PGND on Top Layer "Top Layer-PGND 12" (solid, remove dead copper, pour order 28): 4730,2230 4730,2168.42 4800,2168.42 4800,2230
Amplifier_5V on Top Layer "Top Layer-Amplifier_5V" (solid, remove dead copper, pour order 26): 4360.56,2150.23 4515,2150 4515,2215 4575,2215 4575,2165 4605,2165 4605,2055 4440,2055 4440,2080 4360,2080 4360,2150
PGND on Top Layer "Top Layer-PGND 13" (solid, remove dead copper, pour order 24): 4360,2230 4360,2168.42 4505,2168.42 4505,2230
P7V2 on Top Layer "Top Layer-P7V2 5" (solid, remove dead copper, pour order 22): 4730,2155 4730,2065 5060,2065 5060,2155
PGND on Top Layer "Top Layer-PGND 14" (solid, remove dead copper, pour order 20): 5060,1945 5460,1945 5460,40 5300,40 5300,1815 5060,1815
PGND on Top Layer "Top Layer-PGND 15" (solid, remove dead copper, pour order 18): 5240,2200 5015,2200 4985,2230 4985,2315 4805,2315 4805,2415 5055,2415 5055,2270 5350,2270 5460,2160 5460,2030.59 5305,2030.59 5305,2135 ccw(c5240,2135)
P7V2 on Top Layer "Top Layer-P7V2 6" (solid, remove dead copper, pour order 16): 5060,1800 5255,1800 5255,1550 5060,1550
P7V2 on Top Layer "Top Layer-P7V2 7" (solid, remove dead copper, pour order 14): 5060,2190 5060,1955 5255,1955 5255,2190
S_5V on Top Layer "Top Layer-S_5V" (solid, remove dead copper, pour order 10): 4250,2500 4335,2500 4335,2565 4675,2565 4675,2515 4675,2415 4605.54,2411.14 ccw(c4607.04,2384.14) 4580,2384.14 4580,2360.01 4535,2360.1 4535,2410 4555,2410 4585,2440 4585,2475 4360,2475 4360,2394.41 4340,2394.41 4250,2394.41
PGND on Top Layer "Top Layer-PGND" (solid, remove dead copper, pour order 8): 4510,2465 4510,2385 4440,2385 4440,2285 4895,2285 4895,2315 4985,2315 4985,2230 4245,2230 4245,2380 4370,2380 4370,2465
P7V2 on Top Layer "Top Layer-P7V2" (solid, remove dead copper, pour order 2): 4805,2530 4805,2425 5075,2425 5075,2280 5250,2280 5250,2470 5595,2470 5595,2420 5795,2420 5795,2600 5085,2600 5085,2530
B- on Top Layer "Top Layer-B-" (solid, remove dead copper, pour order 0): 5440,2450 5580,2450 5580,2400 5795,2400 5795,1975 5605,1975 5605,2250 5440,2250
DGND on Bottom Layer (solid, remove dead copper, pour order 224): 1580,480 1580,170 1675,170 1675,480
no net on Bottom Layer "Bottom Layer-No Net" (solid, remove dead copper, pour order 198): 2250,2535
no net on Bottom Layer "Bottom Layer-No Net 1" (solid, remove dead copper, pour order 196): 1645,2570
MCU_5V on Bottom Layer "Bottom Layer-MCU_5V 1" (solid, remove dead copper, pour order 186): 3675,2200 3890,2200 3890,2330 3960,2330 3960,2132.5 3675,2132.5
DGND on Bottom Layer "Bottom Layer-DGND" (solid, remove dead copper, pour order 168): 2600,425 2600,80 2682.5,80 2682.5,425
Amplifier_5V on Bottom Layer "Bottom Layer-Amplifier_5V" (solid, remove dead copper, pour order 140): 1810,1715 1815,1720 1815,2185 55,2185 55,2075 1685,2075 1685,1715
MCU_5V on Bottom Layer "Bottom Layer-MCU_5V" (solid, remove dead copper, pour order 132): 3880,1675 3685,1675 3685,2200 3590,2200 3590,1605 3880,1605
P3V3 on Bottom Layer "Bottom Layer-P3V3" (solid, remove dead copper, pour order 96): 4795,1207.78 4795,1762.78 4655,1902.78 4420,1902.78 4200,2122.78 4200,2311.12 4123.64,2309.25 4095,2305 4095,2292.78 4095,2077.78 4370,1802.78 4605,1802.78 4690,1717.78 4690,1207.78
P7V2 on Bottom Layer "Bottom Layer-P7V2" (solid, remove dead copper, pour order 12): 5060,2525 5155,2525 5255,2525 5255,855 5060,855

## Other copper
Top Layer:
  text "破浪 主控板" at 5705,550 h140 r90
  text "2020.8.15" at 5720,100 h100 r90
  text "东大成贤" at 5595,85 h100 r90

## Silkscreen, mask and mechanical layers (free items; w line width, h text height)
Top Overlay:
  drawing of 67 lines, arcs and shapes, not listed
  text "PGND" at 4123.64,2325 h45
  text "5V" at 4000,2285 h45
  text "DGND 3V3" at 2400,2255 h45
  text "DGND" at 3775,2195 h45
  text "7V2" at 4180,380.07 h80
  text "3V3" at 2395,20 h50
  text "D1" at 2515,20 h50
Bottom Overlay:
  text "阿潭" at 5030,390.59 h80
  text "By  子晰" at 5440,385 h100
  text "2020.8.10" at 5440,240 h100
Mechanical 1:
  lines w10: 0,93.73 ccw(c93.73,93.73) 93.73,0 5180,0 5712.58,0 ccw(c5712.58,92.42) 5805,92.42 5805,2516.27 ccw(c5711.27,2516.27) 5711.27,2610 93.73,2610 ccw(c93.73,2516.27) 0,2516.27 0,93.73

## Text inside footprints (layer, text, board x,y; h text height)
3: Top Overlay "DGND" at 2775,110 h50; Top Overlay "3V3" at 2820,205 h50; Top Overlay "C2" at 3045,25 h50; Top Overlay "C24" at 3030,295 h50
Encoder1: Top Overlay "C1" at 3565,295 h50; Top Overlay "C0" at 3565,25 h50; Top Overlay "3V3" at 3325,205 h50; Top Overlay "DGND" at 3285,105 h50
JP2: Top Overlay "SGND B23  B27  B25   B16 SGND" at 140,2560 h45; Top Overlay "SGND B20  B22   B24  B19 SGND" at 140,2295 h45; Top Overlay "B18   B17  B10  B29   B15  SGND" at 765,2560 h45; Top Overlay "B21  B14    B9   B28  B30  SGND" at 766.78,2295 h45
JP4: Top Overlay "D13" at 3220,2271.25 h50; Top Overlay "D12" at 3220,2360 h50; Top Overlay "D14" at 2910,2360 h50; Top Overlay "D15" at 2910,2265 h50
PWM1: Top Overlay "D0" at 2505,295 h50; Top Overlay "D2" at 2200,205 h50; Top Overlay "D3" at 2200,110 h50; Top Overlay "DGND" at 2735,115 h50 r90
SW1: Top Overlay "ON" at 1965,225 h60 r180
U1: Top Overlay "IMX-RT1064 xVL" at 2905,1000 h80; Top Overlay "CoreBoard Vx.x" at 2905,925 h80